# Altium PCB betrusted_evt2b.PcbDoc (part 2 of 6)
Units mm, origin at the board's own origin, x right, y up, seen from the top; angles counter-clockwise.
Board outline 61.95 x 62.6 mm, 6 copper layers (L1, L2, L3, L6, L7, L8), stack 0.691 mm thick; 387 components, 291 nets, 1871 pads, 1866 vias.
Unrouted connection lines stored in the file: 41.
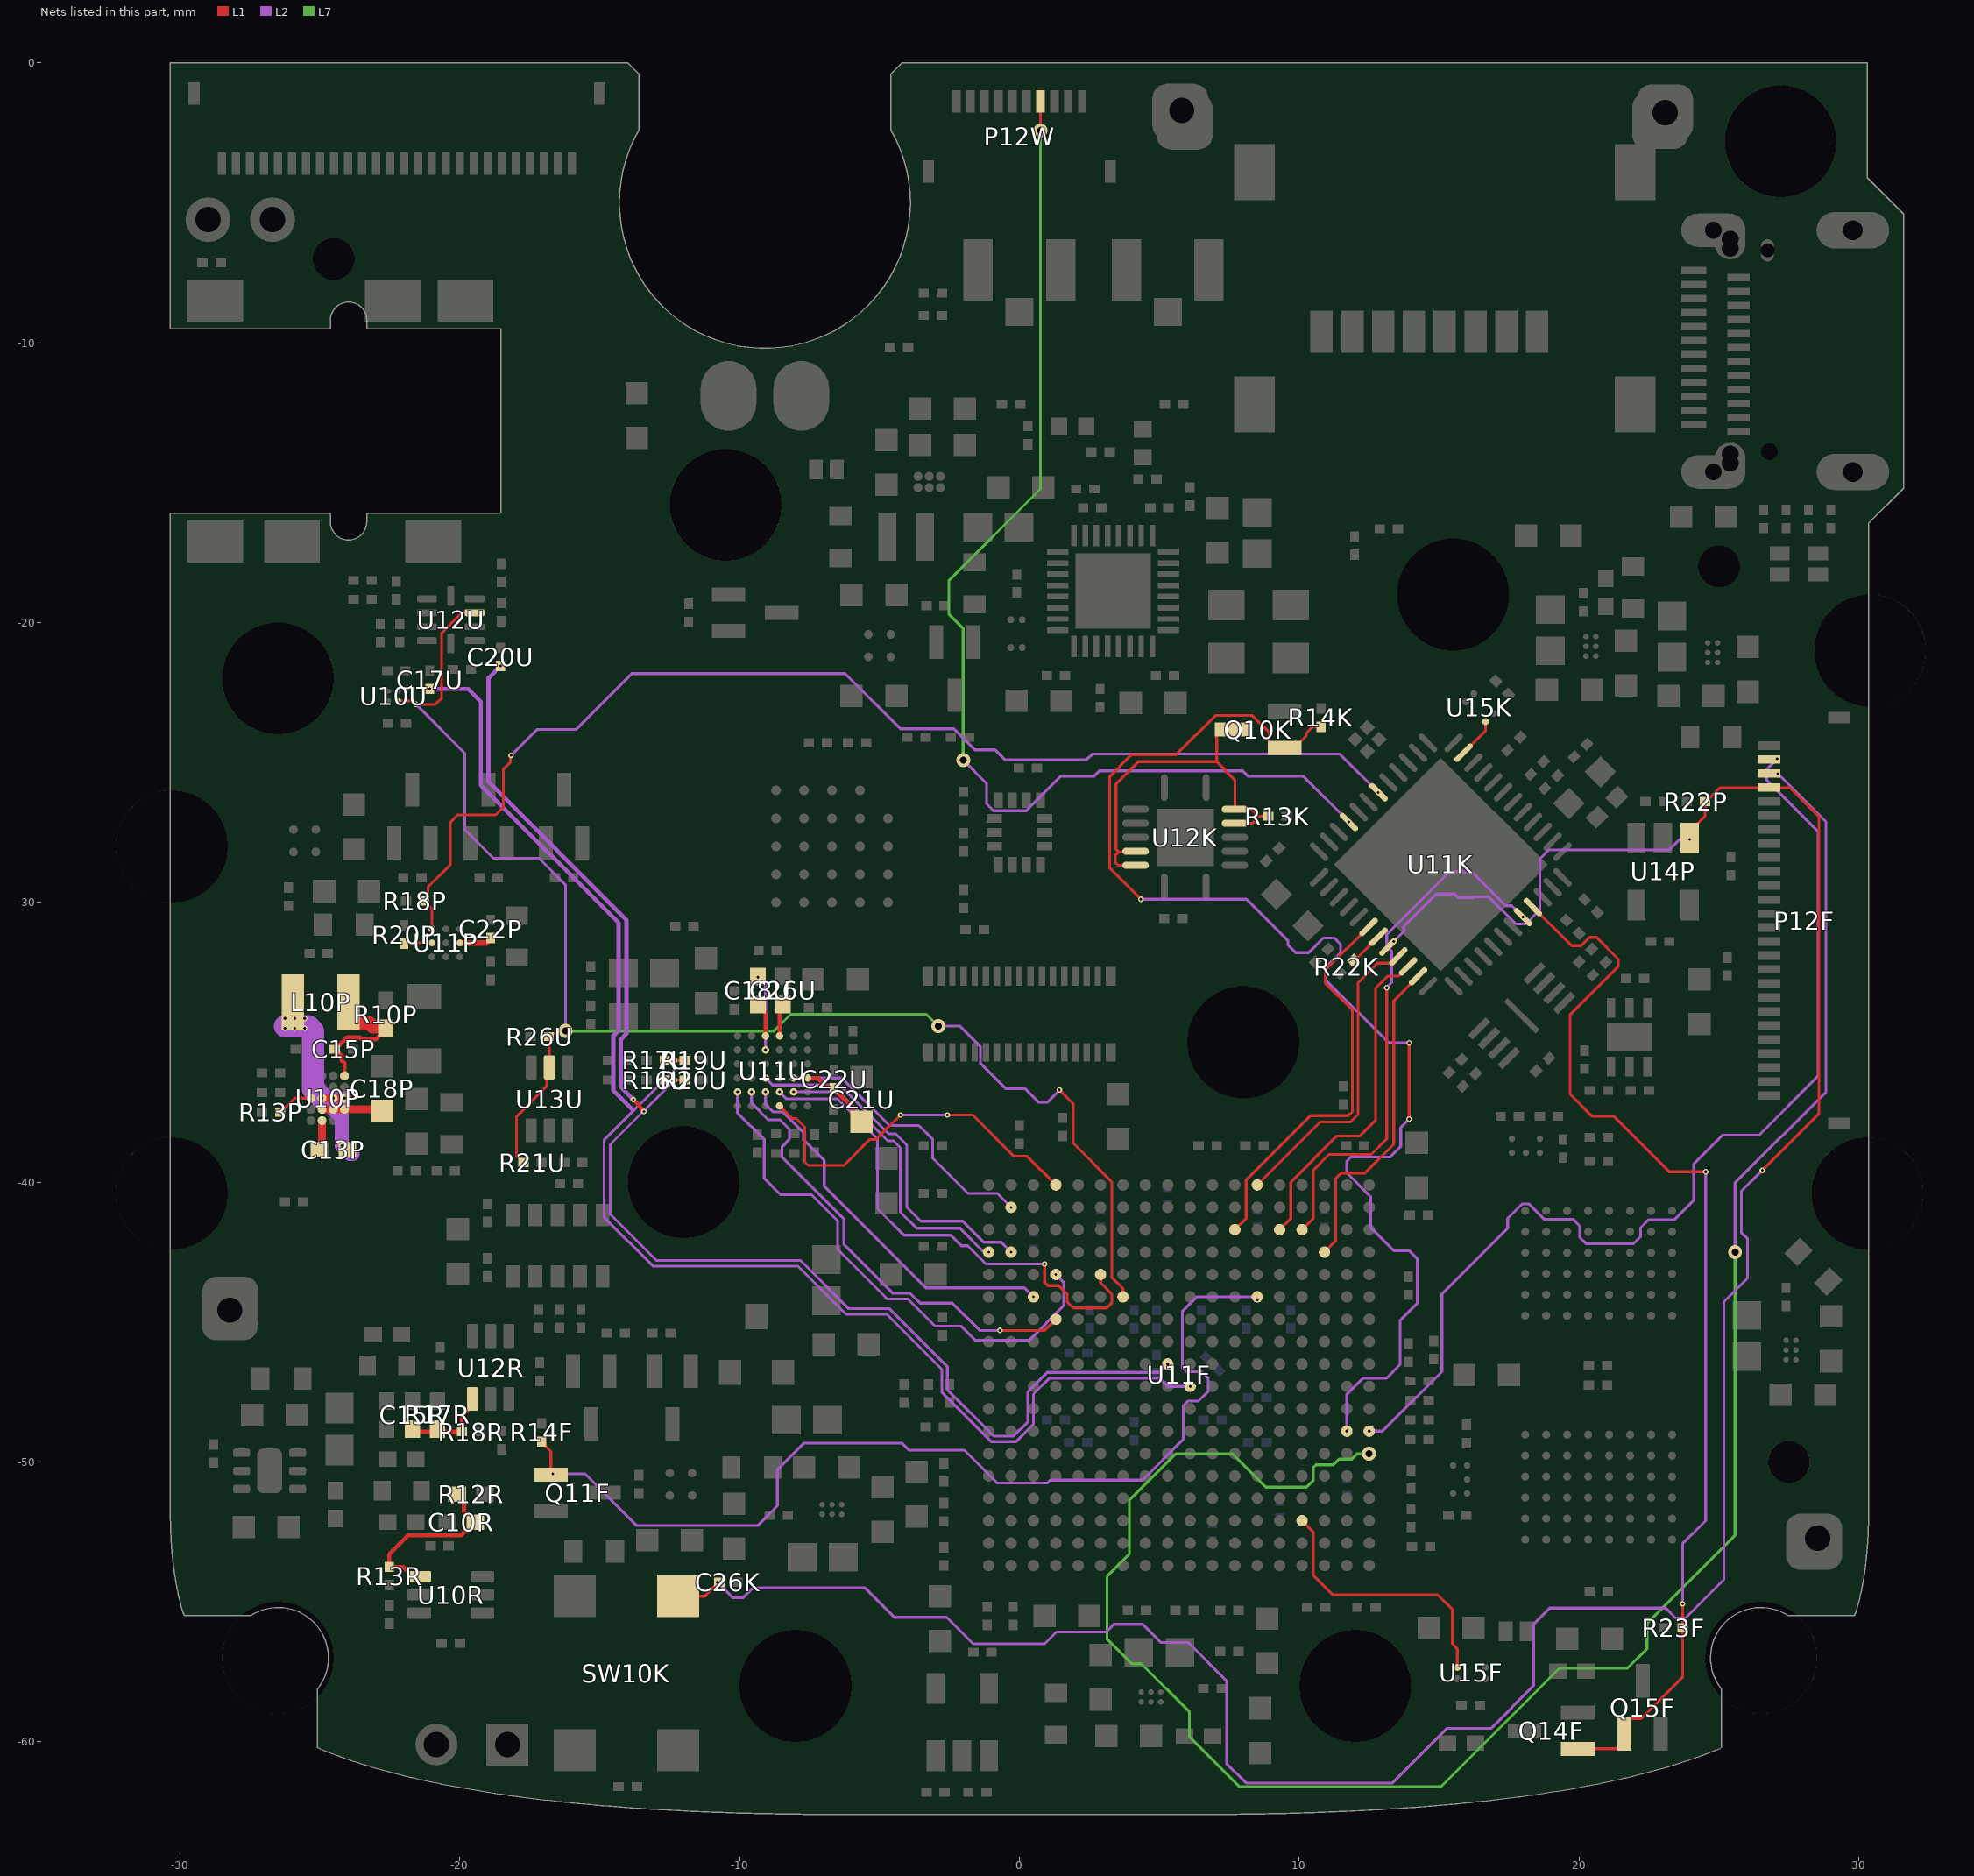
[diagram p6: the nets of this part, all layers, seen from the top]

## Footprints (in the part's own frame and the unit in brackets; to place one, negate y for a bottom-side part, rotate by r counter-clockwise, add the part's x,y. Pads: shape width x height; smd on the part's side, far side on the other; paste and mask are expansions set on the pad) (continued)
DCK0006A_N [mm] "SOT23, 6-Leads, Body 2.15x1.4mm, Pitch 0.65mm, IPC Medium Density"
  rrect25% 0.85x0.4 smd: 1(-1.125,0.65) 2(-1.125,0) 3(-1.125,-0.65) 4(1.125,-0.65) 5(1.125,0) 6(1.125,0.65)
  silkscreen extent -1.25,-1.1 0.3,1.52, body extent -1.14,-1 1.14,1, height 0.94
HDR1X2 [mm] "Connector; Header; 2 Position"
  rect 1.5x1.5 hole 0.9: 1(0,0)
  round 1.5 hole 0.9: 2(2.54,0)
  silkscreen extent -1.27,-1.27 3.81,1.27
HIROSE_CX90B1-24P [mm] "USB Type C Top-mount Right Angle Double-Row SMT"
  oval 1.3x2.6 hole 0.7 slot 2 at 90 deg mask+0.07: 0(-4.32,-2.985) 0(4.32,-2.985)
  oval 1.2x2.3 hole 0.6 slot 1.9 at 90 deg mask+0.07: 0(-4.32,2) 0(4.32,2)
  rect 0.5x1.1 all layers, no hole mask+0.07: 0(-4.1,1.4) 0(4.1,1.4)
  round 0 hole 0.6 square mask+0.07: 0(-4,1.4) 0(4,1.4)
  round 1.1 all layers, no hole mask+0.07: 0(-3.82,1.4) 0(3.82,1.4)
  round 0 hole 0.6 slot 0.7 at 90 deg mask+0.07: 0(-3.67,1.4) 0(3.67,1.4)
  rect 0.27x0.9 smd mask+0.07: A1(-2.625,2.7) A2(-2.125,2.7) A3(-1.625,2.7) A4(-1.125,2.7) A5(-0.625,2.7) A6(-0.125,2.7) A7(0.375,2.7) A8(0.875,2.7) A9(1.375,2.7) A10(1.875,2.7) A11(2.375,2.7) A12(2.875,2.7)
  rect 0.27x0.8 smd mask+0.07: B1(2.625,1.1) B2(2.125,1.1) B3(1.625,1.1) B4(1.125,1.1) B5(0.625,1.1) B6(0.125,1.1) B7(-0.375,1.1) B8(-0.875,1.1) B9(-1.375,1.1) B10(-1.875,1.1) B11(-2.375,1.1) B12(-2.875,1.1)
  round 0.55 hole 0.6 unplated mask+0.07: P(-3.6,0)
  oval 0.8x0.45 hole 0.5 slot 0.85 at 0 deg unplated mask+0.07: P(3.6,0.065)
  silkscreen extent -4.5,-4.85 4.5,-4.85, body extent -4.47,-5.33 4.47,2.82, height 3.14
HRS_DF40C-30DP-0.4V(51) [mm] "0.4mm Pitch, Board to Board Connector"
  rect 0.35x0.66 smd mask+0.04: 0(-3.26,-1.355) 0(-3.26,1.355) 0(3.26,-1.355) 0(3.26,1.355)
  rect 0.23x0.66 smd mask+0.04: 1(-2.8,-1.355) 2(-2.4,-1.355) 3(-2,-1.355) 4(-1.6,-1.355) 5(-1.2,-1.355) 6(-0.8,-1.355) 7(-0.4,-1.355) 8(0,-1.355) 9(0.4,-1.355) 10(0.8,-1.355) 11(1.2,-1.355) 12(1.6,-1.355) 13(2,-1.355) 14(2.4,-1.355) 15(2.8,-1.355) 16(-2.8,1.355) 17(-2.4,1.355) 18(-2,1.355) 19(-1.6,1.355) 20(-1.2,1.355) 21(-0.8,1.355) 22(-0.4,1.355) 23(0,1.355) 24(0.4,1.355) 25(0.8,1.355) 26(1.2,1.355) 27(1.6,1.355) 28(2,1.355) 29(2.4,1.355) 30(2.8,1.355)
  silkscreen extent -3.75,-1.92 3.75,1.5, body extent -3.76,-1.48 3.76,1.49, height 1.13
HRS_FH34SRJ-10S-0.5SH(50) [mm] "Top/bottom entry, back-lock 0.3mm thick FPC, 10 pins"
  rect 0.4x0.8 smd mask+0.07: 0(-3.25,-2.5) 0(3.25,-2.5)
  rect 0.3x0.8 smd mask+0.07: 1(2.25,0) 2(1.75,0) 3(1.25,0) 4(0.75,0) 5(0.25,0) 6(-0.25,0) 7(-0.75,0) 8(-1.25,0) 9(-1.75,0) 10(-2.25,0)
  silkscreen extent -3.5,-3.03 3.5,0.77, body extent -3.5,-3.02 3.5,0.78, height 1
HRS_FH34SRJ-26S-0.5SH(50) [mm] "Top/bottom entry, back-lock 0.3mm thick FPC, 26 pins"
  rect 0.4x0.8 smd mask+0.07: 0(-7.25,-2.5) 0(7.25,-2.5)
  rect 0.3x0.8 smd mask+0.07: 1(6.25,0) 2(5.75,0) 3(5.25,0) 4(4.75,0) 5(4.25,0) 6(3.75,0) 7(3.25,0) 8(2.75,0) 9(2.25,0) 10(1.75,0) 11(1.25,0) 12(0.75,0) 13(0.25,0) 14(-0.25,0) 15(-0.75,0) 16(-1.25,0) 17(-1.75,0) 18(-2.25,0) 19(-2.75,0) 20(-3.25,0) 21(-3.75,0) 22(-4.25,0) 23(-4.75,0) 24(-5.25,0) 25(-5.75,0) 26(-6.25,0)
  silkscreen extent -7.5,-3.03 7.5,0.77, body extent -7.5,-3.02 7.5,0.78, height 1
HRS_U.FL [mm] "6 GHz U.FL connector (ISM band antennas)"
  rect 1.05x2.2 smd: GND(-1.475,0) GND(1.475,0)
  rect 1x1 smd: SIG(0,-1.5)
  silkscreen extent -1.5,-1.6 1.5,1.5, body extent -1.5,-1.6 1.5,1.5, height 1.24
INDC1608AN [mm] "Chip Inductor, Body 1.6x0.8mm, IPC Medium Density"
  rect 1.1x1 smd: 1(-0.75,0) 2(0.75,0)
  body extent -0.9,-0.5 0.9,0.5, height 1
JINLONG-C1020K001F [mm] "Vibration motor, mid-mount, 10mm"
  oval 2x2.5 smd: 1(-1.3,-0.1) 2(1.3,-0.1)
  silkscreen extent -5,-1.7 5,11.8, body extent -5,-1.7 5,11.8, height 1.3
LGA-14_2500X3000X860_N [mm] "LGA, 14-Leads, Body 3.10x2.60mm, Pitch 0.50mm, IPC Medium Density"
  rect 0.55x0.3 smd: 1(-1.15,0.75) 2(-1.15,0.25) 3(-1.15,-0.25) 4(-1.15,-0.75) 8(1.15,-0.75) 9(1.15,-0.25) 10(1.15,0.25) 11(1.15,0.75)
  rect 0.3x0.55 smd: 5(-0.5,-0.9) 6(0,-0.9) 7(0.5,-0.9) 12(0.5,0.9) 13(0,0.9) 14(-0.5,0.9)
  silkscreen extent -2.12,1.63 -1.88,1.88, body extent -1.55,-1.3 1.55,1.3, height 0.86
ONSC-SOT-23-3-318-08_V [mm] "SOT23, 3-Leads, Body 2.92x1.3mm, Pitch 0.95mm"
  rect 0.9x0.8 smd: 1(-1,0.95) 2(-1,-0.95) 3(1,0)
  silkscreen extent -1.12,-1.46 0.65,2.02, body extent -0.65,-1.46 0.65,1.46, height 1.11
QFN40P400X400X90_HS-33N [mm] "QFN, 32-Leads, Body 4.00x4.00mm, Pitch 0.40mm, Thermal Pad 2.70x2.70mm, IPC Medium Density"
  rect 0.76x0.2 smd mask+0.06: 1(-1.98,1.4) 2(-1.98,1) 3(-1.98,0.6) 4(-1.98,0.2) 5(-1.98,-0.2) 6(-1.98,-0.6) 7(-1.98,-1) 8(-1.98,-1.4) 17(1.98,-1.4) 18(1.98,-1) 19(1.98,-0.6) 20(1.98,-0.2) 21(1.98,0.2) 22(1.98,0.6) 23(1.98,1) 24(1.98,1.4)
  rect 0.2x0.76 smd mask+0.06: 9(-1.4,-1.98) 10(-1,-1.98) 11(-0.6,-1.98) 12(-0.2,-1.98) 13(0.2,-1.98) 14(0.6,-1.98) 15(1,-1.98) 16(1.4,-1.98) 25(1.4,1.98) 26(1,1.98) 27(0.6,1.98) 28(0.2,1.98) 29(-0.2,1.98) 30(-0.6,1.98) 31(-1,1.98) 32(-1.4,1.98)
  rect 2.7x2.7 smd mask+0.07: 33(0,0)
  silkscreen extent -2.98,-2.2 2.2,2.2, body extent -2.05,-2.05 2.05,2.05, height 0.9
RESTAP-0603 [mm] "0603 Power tap, cut-trace style"
  rect 0.65x0.8 smd: 1(-0.75,0) 1(0.75,0)
  L1 region: -0.5,-0.2 0.5,-0.2 0.5,0.2 -0.5,0.2
  body extent -0.8,-0.4 0.8,0.4, height 0.8
RUN0010A [mm] "QFN, 10-Leads, Body 2.1x2.1mm, Pitch 0.5mm"
  rrect40% 0.7x0.25 smd: 1(-0.85,0.75) 2(-0.85,0.25) 3(-0.85,-0.25) 4(-0.85,-0.75) 6(0.85,-0.75) 7(0.85,-0.25) 8(0.85,0.25) 9(0.85,0.75)
  rrect40% 0.25x0.7 smd: 5(0,-0.85) 10(0,0.85)
  silkscreen extent -1.15,-1.17 1.15,1.17, body extent -1.05,-1.05 1.05,1.05, height 0.81
SiTIME_CSP [mm] "SiTIME CSP"
  round 0.25 smd mask+0.05: 1(-0.205,0.5) 2(-0.205,-0.5) 3(0.205,-0.5) 4(0.205,0.5)
  silkscreen extent -0.58,0.83 -0.48,0.92, body extent -0.42,-0.77 0.42,0.77, height 0.6
SOD523 [mm] "SODFL, 2-Leads, Body 0.80x1.60mm, IPC Medium Density"
  rect 0.6x0.7 smd mask+0.07: 1(-0.7,0) 2(0.7,0)
  silkscreen extent 0.95,-0.4 1.25,0.65, body extent -0.8,-0.45 0.8,0.45, height 0.65
SON65P200X80_HS-7N [mm] "SON, 6-Leads, Body 2.00x2.00mm, Pitch 0.65mm, Thermal Pad 1.60x0.89mm, IPC Medium Density"
  rrect50% 0.9x0.7 on Top Paste: 0(0,0.42) 0(0,-0.42)
  rrect50% 0.6x0.3 smd mask+0.07: 1(-1,0.65) 2(-1,0) 3(-1,-0.65) 4(1,-0.65) 5(1,0) 6(1,0.65)
  rrect50% 0.9x1.6 smd paste-0.5 mask+0.07: 7(0,0)
  silkscreen extent -1.5,-1.2 1.05,1.25, body extent -1.13,-1.05 1.13,1.05, height 0.8
SOT23-5AN [mm] "SOT23, 5-Leads, Body 2.9x1.6mm, Pitch 0.95mm, Lead Span 2.8mm, IPC Medium Density"
  rect 1.1x0.65 smd mask+0.075: 1(-1.2,0.95) 2(-1.2,0) 3(-1.2,-0.95) 4(1.2,-0.95) 5(1.2,0.95)
  silkscreen extent -1.32,-1.55 0.25,1.95, body extent -0.9,-1.55 0.9,1.55, height 1.45
SOT323-3AN [mm] "SOT323, 3-Leads, Body 2.0x1.3mm, Pitch 0.65mm, Lead Span 2.1mm, IPC Medium Density"
  rect 1.2x0.5 smd: 1(-0.95,0.65) 2(-0.95,-0.65) 3(0.95,0)
  silkscreen extent -1.07,-1.1 0.7,1.57, body extent -0.7,-1.1 0.7,1.1, height 1
SWITCH_TS-1187A [mm] "TS-1187A tact switch, Chi Fung Electronics"
  rect 1.5x1.5 smd mask+0.07: 1(0,0) 2(0,-5.5) 3(3.7,0) 4(3.7,-5.5)
  silkscreen extent -0.7,-5.3 4.4,-0.2, body extent -0.7,-5.3 4.4,-0.2, height 1.6
TI-DRV6-1600X1000TP_V [mm] "SON, 6-Leads, Body 2x2mm, Pitch 0.65mm, Thermal Pad 1X1.6mm"
  rect 0.7x0.3 smd: 1(-1.05,0.65) 2(-1.05,0) 3(-1.05,-0.65) 4(1.05,-0.65) 5(1.05,0) 6(1.05,0.65)
  rect 1x1.6 smd: 7(0,0)
  silkscreen extent -1.5,-1.05 1.05,1.1, body extent -1,-1 1,1, height 0.8
TI_RGY_S_PVQFN-N14 [mm] "QFN, 14-Leads, Body 3.50x3.50mm, Pitch 1.50mm/0.50mm, Thermal Pad 2.00x2.00mm, IPC Medium Density"
  oval 0.25x0.95 smd mask+0.07: 1(-0.75,1.775) 7(-0.75,-1.775) 8(0.75,-1.775) 14(0.75,1.775)
  oval 0.95x0.25 smd mask+0.07: 2(-1.775,1) 3(-1.775,0.5) 4(-1.775,0) 5(-1.775,-0.5) 6(-1.775,-1) 9(1.775,-1) 10(1.775,-0.5) 11(1.775,0) 12(1.775,0.5) 13(1.775,1)
  rect 2.05x2.05 smd paste-3 mask+0.07: EP(0,0)
  silkscreen extent -1.97,-1.97 1.97,2.8, body extent -1.83,-1.83 1.83,1.83, height 1
TI_YKE004 [mm] "DSBGA with SMD pads, 4-Leads, Body 0.65x0.65mmx0.45mm, Pitch 0.35mm"
  round 0.18 smd mask+0.04: A1(-0.175,0.175) A2(0.175,0.175) B1(-0.175,-0.175) B2(0.175,-0.175)
  silkscreen extent -0.48,0.38 -0.38,0.48, body extent -0.32,-0.32 0.32,0.32, height 0.45
TP_2MM_SQ [mm] "2mm x 2mm square test pad"
  rrect50% 2x2 smd: 1(0,0)
UP5K_QFN127P600-8N [mm]
  oval 0.85x0.2 smd: 1(-3.4,2.75) 2(-3.4,2.25) 3(-3.4,1.75) 4(-3.4,1.25) 5(-3.4,0.75) 6(-3.4,0.25) 7(-3.4,-0.25) 8(-3.4,-0.75) 9(-3.4,-1.25) 10(-3.4,-1.75) 11(-3.4,-2.25) 12(-3.4,-2.75) 25(3.4,-2.75) 26(3.4,-2.25) 27(3.4,-1.75) 28(3.4,-1.25) 29(3.4,-0.75) 30(3.4,-0.25) 31(3.4,0.25) 32(3.4,0.75) 33(3.4,1.25) 34(3.4,1.75) 35(3.4,2.25) 36(3.4,2.75)
  oval 0.2x0.85 smd: 13(-2.75,-3.4) 14(-2.25,-3.4) 15(-1.75,-3.4) 16(-1.25,-3.4) 17(-0.75,-3.4) 18(-0.25,-3.4) 19(0.25,-3.4) 20(0.75,-3.4) 21(1.25,-3.4) 22(1.75,-3.4) 23(2.25,-3.4) 24(2.75,-3.4) 37(2.75,3.4) 38(2.25,3.4) 39(1.75,3.4) 40(1.25,3.4) 41(0.75,3.4) 42(0.25,3.4) 43(-0.25,3.4) 44(-0.75,3.4) 45(-1.25,3.4) 46(-1.75,3.4) 47(-2.25,3.4) 48(-2.75,3.4)
  rect 5.4x5.4 smd: PADDLE(0,0)
  silkscreen extent -4.42,-3.65 3.65,3.65, body extent -3.5,-3.5 3.5,3.5, height 1
USON-8 [mm] "SON, 8-Leads, Body 2.00x3.00mm, Pitch 0.50mm, Thermal Pad 1.60x0.20mm, IPC Medium Density"
  rect 0.9x0.25 smd mask+0.07: 1(-1.395,0.75) 2(-1.395,0.25) 3(-1.395,-0.25) 4(-1.395,-0.75) 5(1.395,-0.75) 6(1.395,-0.25) 7(1.395,0.25) 8(1.395,0.75)
  rect 0.2x1.6 smd mask+0.07: 9(0,0)
  silkscreen extent -2,-1.2 1.55,1.25, body extent -1.55,-1.05 1.55,1.05, height 0.6
VISHAY_MICRO_FOOT_4_BUMP [mm] "BGA, 4-Leads, Body 1.56x1.56mmx0.60mm, Pitch 0.80mm"
  round 0.31 smd mask+0.07: 1(-0.4,0.4) 2(0.4,0.4) 3(0.4,-0.4) 4(-0.4,-0.4)
  silkscreen extent -0.93,0.84 -0.83,0.93, body extent -0.78,-0.78 0.78,0.78, height 0.6
XOSC_3.2_2.5 [mm] "SMT crystal oscillator, 3.2x2.5mm"
  rect 1.3x1.1 smd: 1(-1.15,-0.95) 2(1.15,-0.95) 3(1.15,0.95) 4(-1.15,0.95)
  silkscreen extent -2.4,-2.05 -0.9,-0.7, body extent -1.6,-1.3 1.6,1.2, height 1.1
YPG0036AWAW [mm] "Micro SMD, 36-Leads, Body 3x3mm, Pitch 0.5mm, NSC Recommended"
  round 0.265 smd paste-0.132 mask+0.05: A1(-1.25,1.25) A2(-0.75,1.25) A3(-0.25,1.25) A4(0.25,1.25) A5(0.75,1.25) A6(1.25,1.25) B1(-1.25,0.75) B2(-0.75,0.75) B3(-0.25,0.75) B4(0.25,0.75) B5(0.75,0.75) B6(1.25,0.75) C1(-1.25,0.25) C2(-0.75,0.25) C3(-0.25,0.25) C4(0.25,0.25) C5(0.75,0.25) C6(1.25,0.25) D1(-1.25,-0.25) D2(-0.75,-0.25) D3(-0.25,-0.25) D4(0.25,-0.25) D5(0.75,-0.25) D6(1.25,-0.25) E1(-1.25,-0.75) E2(-0.75,-0.75) E3(-0.25,-0.75) E4(0.25,-0.75) E5(0.75,-0.75) E6(1.25,-0.75) F1(-1.25,-1.25) F2(-0.75,-1.25) F3(-0.25,-1.25) F4(0.25,-1.25) F5(0.75,-1.25) F6(1.25,-1.25)
  silkscreen extent -1.79,1.7 -1.7,1.79, body extent -1.64,-1.64 1.64,1.64, height 0.73
YZP0005ADAD [mm] "BGA, 5-Balls, Body 1.39x0.89mm, Pitch 0.5mm"
  round 0.23 smd mask+0.05: A1(-0.25,0.5) A2(0.25,0.5) B1(-0.25,0) C1(-0.25,-0.5) C2(0.25,-0.5)
  silkscreen extent -0.6,0.75 -0.5,0.85, body extent -0.45,-0.69 0.45,0.69, height 0.5

## Part data
C10F C10M C12K C12M C13K C14K C16M C17K C18K C20K C22P C23F C24F C25F C28F C31F C32F C41F C42F C43F C44F C48F C49F C50F C51F C56F C57F C58F C59F C60F C61F C62F C68F: library part "Cap Semi", "Capacitor (Semiconductor SIM Model)", MPN=CL03A474KQ3NNNH, MYPN=C-474-6p3-X5R-0201, VENDOR=Samsung
C10K C11M C12F C12R C13F C13M C13U C14W C15P C16K C16P C17M C17R C18M C19K C22U C22W C23U C25U C26P C27U C29U C31U C31W C32W C33F C34U C36U C65F C66F: library part "Cap Semi", "Capacitor (Semiconductor SIM Model)", MPN=CL03A104KQ3NNNC, MYPN=C-104-6p3-X5R-0201, VENDOR=Samsung
C10P C14P C63F: library part "Cap Semi", "Capacitor (Semiconductor SIM Model)", MPN=CL10A105KA8NNNC, MYPN=C-105-25-X5R-0603, VENDOR=Samsung
C10R C15R: library part "Cap Semi", "Capacitor (Semiconductor SIM Model)", MPN=CL05B152KB5NNNC, MYPN=C-152-50-X7R-0402, VENDOR=Samsung
C10U C11U C15M C16U C17P C17U C18R C19U C20U C21P C22F C23K C24K C24U C27F C28U C29W C30F C30U C30W C37F C37U C40F C47F C52F C55F: library part "Cap Semi", "Capacitor (Semiconductor SIM Model)", MPN=GRM033R60J105MEA2D, VENDOR=Murata
  C10U C11U C16U C17U C19U C20U: MYPN=C-105-6p3-X5R-0603
  C15M C17P C18R C21P C22F C23K C24K C24U C27F C28U C29W C30F C30U C30W C37F C37U C40F C47F C52F C55F: MYPN=C-105-6p3-X5R-0201
C10W C12W: library part "Cap Semi", "Capacitor (Semiconductor SIM Model)", MPN=GRM0335C1H1R8BA01D, MYPN=C-1R8-50-NP0-0201, VENDOR=Murata
C11F C11K C12U C13R C14F C14M C15F C15K C15W C16F C17F C18F C18P C18W C19F C19P C20F C20P C21F C21K C21U C21W C22K C23P C23W C24P C25P C26F C28P C29F C29P C30P C31P C32U C33U C35U C36F C38F C38U C39F C45F C46F C53F C54F C64F C67F: library part "Cap Semi", "Capacitor (Semiconductor SIM Model)", MPN=CL10A106MQ8NNNC, MYPN=C-106-6.3-X5R-0603, VENDOR=Samsung
C11P: library part "Cap Semi", "Capacitor (Semiconductor SIM Model)", MPN=CL21A226MQQNNNE, MYPN=C-226-6.3-X5R-0805, VENDOR=Samsung
C11R C16R: library part "Cap Semi", "Capacitor (Semiconductor SIM Model)", MPN=CL05C221JB5NNNC, MYPN=C-221-50-NP0-0402, VENDOR=Samsung
C11W C13W: library part "Cap Semi", "Capacitor (Semiconductor SIM Model)", MPN=GRM0335C1ER80BA01D, MYPN=C-0R8-25-NP0-0201, VENDOR=Murata
C13P: library part "Cap Semi", "Capacitor (Semiconductor SIM Model)", MPN=CL05B333KO5NNNC, MYPN=C-333-16-X7R-0402, VENDOR=Samsung
C14R: library part "Cap Semi", "Capacitor (Semiconductor SIM Model)", MPN=CL10A105KB8NNNC, MYPN=C-105-50-X5R-0603, VENDOR=Samsung
C14U C15U C17W C20W: library part "Cap Semi", "Capacitor (Semiconductor SIM Model)", MPN=GRM0335C1E120JA01D, MYPN=C-120-25-NP0-0201, VENDOR=Murata
C16W C19W: library part "Cap Semi", "Capacitor (Semiconductor SIM Model)", MPN=CL03A473KQ3NNNC, MYPN=C-473-6P3-X5R-0201, VENDOR=Murata
C18U C26U: library part "Cap Semi", "Capacitor (Semiconductor SIM Model)", MPN=CL05A225MQ5NNNC, MYPN=C-225-6p3-X5R-0402, VENDOR=Samsung
C24W C25K C26K C27K C35F: library part "Cap Semi", "Capacitor (Semiconductor SIM Model)", MPN=GRM033R61E103KA12D, MYPN=C-103-25-X5R-0201, VENDOR=Murata
C27P C28W C34F: library part "Cap Semi", "Capacitor (Semiconductor SIM Model)", MPN=GRM0335C1E561JA01D, MYPN=C-561-25-NP0-0201, VENDOR=Murata
C69F C70F C71F C72F C73F C74F C75F C76F C77F C78F C79F C80F C81F C82F C83F C84F C85F C86F C87F C88F C89F C90F C91F: library part "Cap Semi", "Capacitor (Semiconductor SIM Model)", MPN=DNP, MYPN=BOT_DUMMY, VENDOR=DNP
D10K: library part CREE_UHD1110-FKA, "1x1mm SMD RGB LED, 5mA, common anode", MPN=UHD1110-FKA-CL1A13R3Q1BBQFMF3, MYPN=UHD1110-FKA, VENDOR=Cree
D10M D10P D10U D11P: library part "Diode 11DQ03", "Schottky Rectifier", ComponentLink1Description="Manufacturer Link", ComponentLink1URL=http://www.irf.com/, ComponentLink2Description=Datasheet, ComponentLink2URL=http://www.irf.com/product-info/datasheets/data/11dq03.pdf, MPN=DB2G42600L1, MYPN=D-SCHOTTKY-0402-CSP, VENDOR=Panasonic
D10R D11R: library part "D Zener", "Zener Diode", LatestRevisionDate=17-Jul-2002, LatestRevisionNote="Re-released for DXP Platform.", MPN=BZT585B15T-7, MYPN=D-Z-15V-SOD523, PackageDescription="Diode, Thru-Hole; 2 Leads; 0.7 in Pin Spacing", PackageReference=DIODE-0.7, Published=8-Jun-2000, Publisher="Altium Limited", VENDOR="Diodes Inc"
J10F J10K J10P J10R J10U J11F J11P J12F J12P J13P J14P J15P TP10P TP11P TP12P TP13P TP13P1 TP13P2 TP13P3 TP14P TP15P: library part CON1, "Connector", MPN=DNP, VENDOR=DNP
  J10F J10K J10P J10R J10U J11F J11P J12F J12P J13P J14P J15P: MYPN=J-TP-PWRTAP-0603
  TP10P TP11P TP12P TP13P TP13P1 TP13P2 TP13P3 TP14P TP15P: MYPN="Built into PCB"
J13F: library part MICRO_SD, "Captive Micro-SD card for firmware images", MPN=0472192001, MYPN=J-MICROSD-SLIDELOCK, VENDOR=Molex
L10F L10U L11F L11U L12W L13W: library part "Inductor Iron", "Magnetic-Core Inductor", MPN=BLM18AG601SN1D, MYPN=L-BLM18AG601SN1D, VENDOR=Murata
L10K L11P L12F L12P L13F: library part "Inductor Iron", "Magnetic-Core Inductor", MPN=TFM160808ALC-R47MTAA, MYPN=L-TFM160808ALC-R47MTAA, VENDOR=TDK
L10P: library part "Inductor Iron", "Magnetic-Core Inductor", MPN=CIGW252010GL1R0MNE, MYPN=L-CIGW252010GL1R0MNE, VENDOR=Samsung
L10R: library part "Inductor Iron", "Magnetic-Core Inductor", MPN=MLZ1608M220WT000, MYPN=L-MLZ1608M220WT000, VENDOR=TDK
L10W L11W: library part "Inductor Iron", "Magnetic-Core Inductor", MPN=LQW15AN2N7C00, MYPN=L-LQW15AN2N7C00, VENDOR=Murata
L13P: library part "Inductor Iron", "Magnetic-Core Inductor", MPN=VLS201610CX-2R2M-1, MYPN=L-VLS201610CX-2R2M-1, VENDOR=TDK
M10U: library part "Header 2", MPN=C1020K001F, LatestRevisionDate=17-Jul-2002, LatestRevisionNote="Re-released for DXP Platform.", MYPN=M-VIBE-10MM-MID, Publisher="Altium Limited", VENDOR=Jinlong
P10F: library part "Header 2", "Header, 2-Pin, 2.54mm", MPN=DNP, LatestRevisionDate=17-Jul-2002, LatestRevisionNote="Re-released for DXP Platform.", MYPN=DNP, Publisher="Altium Limited", VENDOR=DNP
P10K: library part "Header 15X2A", "Header, 15-Pin, Dual row", LatestRevisionDate=17-Jul-2002, LatestRevisionNote="Re-released for DXP Platform.", MPN=DF40C-30DP-0.4V(51), MYPN="J-DF40C-30DP-0.4V(51) or DF40JC-30DP-0.4V(53)", Publisher="Altium Limited", System=Connector, VENDOR=Hirose
P10P: library part USB_TYPE_C, MPN=CX90B1-24P, MYPN=P-CX90B1-24P, VENDOR=Hirose
P10U: library part CUI_3.5MM_STEREO_MIC, "Mid mount audio jack", MPN=SJ-43504-SMT-TR, MYPN=J-3.5MM-MID-CUI, VENDOR=CUI
P10W P11W: library part BNC, "BNC Elbow Connector", MPN=P1163-0140R, LatestRevisionDate=17-Jul-2002, LatestRevisionNote="Re-released for DXP Platform.", MYPN=U.FL-R-SMT-1(10), Publisher="Altium Limited", VENDOR=Kaweei
P11F P12F: library part FPC-26, "26 Pin FPC header", MPN=FH34SRJ-26S-0.5SH(99), MYPN=J-FPC-0.5mm-26-0.3mm-T/B, VENDOR=Hirose
  P11F: System=Connector
P12W: library part "Header 10", "Header, 10-Pin", LatestRevisionDate=17-Jul-2002, LatestRevisionNote="Re-released for DXP Platform.", MPN=FH34SRJ-10S-0.5SH, MYPN=J-FH34SRJ-10S-0.5SH(50/99), Publisher="Altium Limited", VENDOR=Hirose
Q10F Q10P Q10U: "P-channel 20V 6.2A 27mOhm @ -2.5V", MPN=SI8457DB-T1-E1, MYPN=Q-Si8457, VENDOR="Vishay Siliconix"
Q10K Q11F Q11P Q11U Q12F Q12P Q12U Q13F Q13P Q14F Q15F: library part MOSFET-N, "N-Channel MOSFET", LatestRevisionDate=17-Jul-2002, LatestRevisionNote="Re-released for DXP Platform.", PackageReference=E3, PackageVersion=1995/1996, Published=8-Jun-2000, Publisher="Altium Limited", VENDOR="Diodes Inc"
  Q10K Q11F Q11U Q12P Q12U Q13F Q14F Q15F: MPN=DMG1012UW-7, MYPN=Q-DMG1012UW-7
  Q11P Q12F Q13P: MPN=DMN67D8LW, MYPN=Q-DMN67D8LW
R10F R10K R10M R10R R10U R10W R11K R11M R11P R11R R11U R11W R12F R12K R12M R12P R12U R12W R13F R13K R13M R13P R13R R13U R14F R14K R14P R14R R14U R15F R15K R15P R15R R15U R16F R16K R16P R16R R16U R17F R17K R17P R17U R18F R18K R18P R18R R18U R19F R19K R19P R19R R19U R20F R20K R20P R20R R20U R21F R21K R21P R21U R22F R22K R22P R22U R23F R23U R24F R24P R24U R25F R25P R25U R26F R26P R26U R27F R27P R27U R28F R28P R29F R29P R30F R31F R32F R33F: library part Res1, "Resistor", MPN=ANY, VENDOR=ANY
  R10F R10U R13R R14K R18R R23F R24P: MYPN=R-224-1P-1_16W-0201
  R10K R10R R13K R14F R15K R15R R20K R25U R26P R26U R27P R27U R28F: MYPN=R-104-1P-1_16W-0201
  R10M R11M R16U R17U: MYPN=R-473-1P-1_16W-0201
  R10W R11K R11W R13P R16P R17P R18P R20P R21K R22K R25P R27F R29P R30F R31F R33F: MYPN=R-103-1P-1_16W-0201
  R11P R12P R12U R14R R19R R22U: MYPN=R-203-1P-1_16W-0201
  R11R R16R: MYPN=R-474-1P-1_16W-0402
  R11U R12M R17K R19U R20U R23U R24U: MYPN=DNP
  R12F R16F R16K R19P R21P R29F: MYPN=R-0R0-1P-1_16W-0201
  R12K: MYPN=R-101-1P-1_16W-0402
  R12W R14U R15U R17F R18F R19F R22F R32F: MYPN=R-102-1P-1_16W-0201
  R13F: MYPN=R-331-1P-1_16W-0201
  R13M R13U: MYPN=R-222-1P-1_16W-0201
  R14P R15P R28P: MYPN=R-512-1P-1_16W-0201
  R15F R18K R19K R22P R24F R25F R26F: MYPN=R-472-1P-1_16W-0201
  R18U R21U: MYPN=R-564-1P-1_16W-0201
  R20F R21F: MYPN=R-470-1P-1_16W-0402
  R20R: MYPN=R-223-1P-1_16W-0402
R10P: library part Res1, "Resistor", MPN=ERJ-2BWFR056X, MYPN=R-0R56-1P-1_4W-0402, VENDOR=Panasonic
R11F: library part Res1, "Resistor", MPN=RC0402FR-0718K7L, MYPN=R-1872-1P-1_16W-0402, VENDOR=Yageo
R12R R17R: library part Res1, "Resistor", MPN=RMCF0402FT5M10, MYPN=R-515-1P-1_16W-0402, VENDOR=Stackpole
R13W: library part Res1, "Resistor", MPN=DNP, MYPN=DNP, VENDOR=DNP
R23P: library part Res1, "Resistor", MPN=RC0402FR-07249KL, MYPN=R-2493-1P-1_16W-0402, VENDOR=Yageo
SW10K: library part "Header 4", "Chi Fung TS-1187A", MPN="RS-187R05A2-DS MT RT", LatestRevisionDate=17-Jul-2002, LatestRevisionNote="Re-released for DXP Platform.", MYPN=SW-PB-5X5-1.6, Publisher="Altium Limited", VENDOR=C&K